# Altium PCB Main_Board.PcbDoc (part 3 of 19)
Units mil, origin at the board's own origin, x right, y up, seen from the top; angles counter-clockwise.
Board outline 5306 x 6610 mil, 12 copper layers ((L1) Top, (L2) Inner 1, (L3) Inner 2, (L4) Inner 3, (L5) Inner 4, (L6) Inner 5, (L7) Inner 6, (L8) Inner 7, (L9) Inner 8, (L10) Inner 9, (L11) Inner 10, (L12) Bottom), stack 94.81 mil thick; 347 components, 571 nets, 2611 pads, 4053 vias.
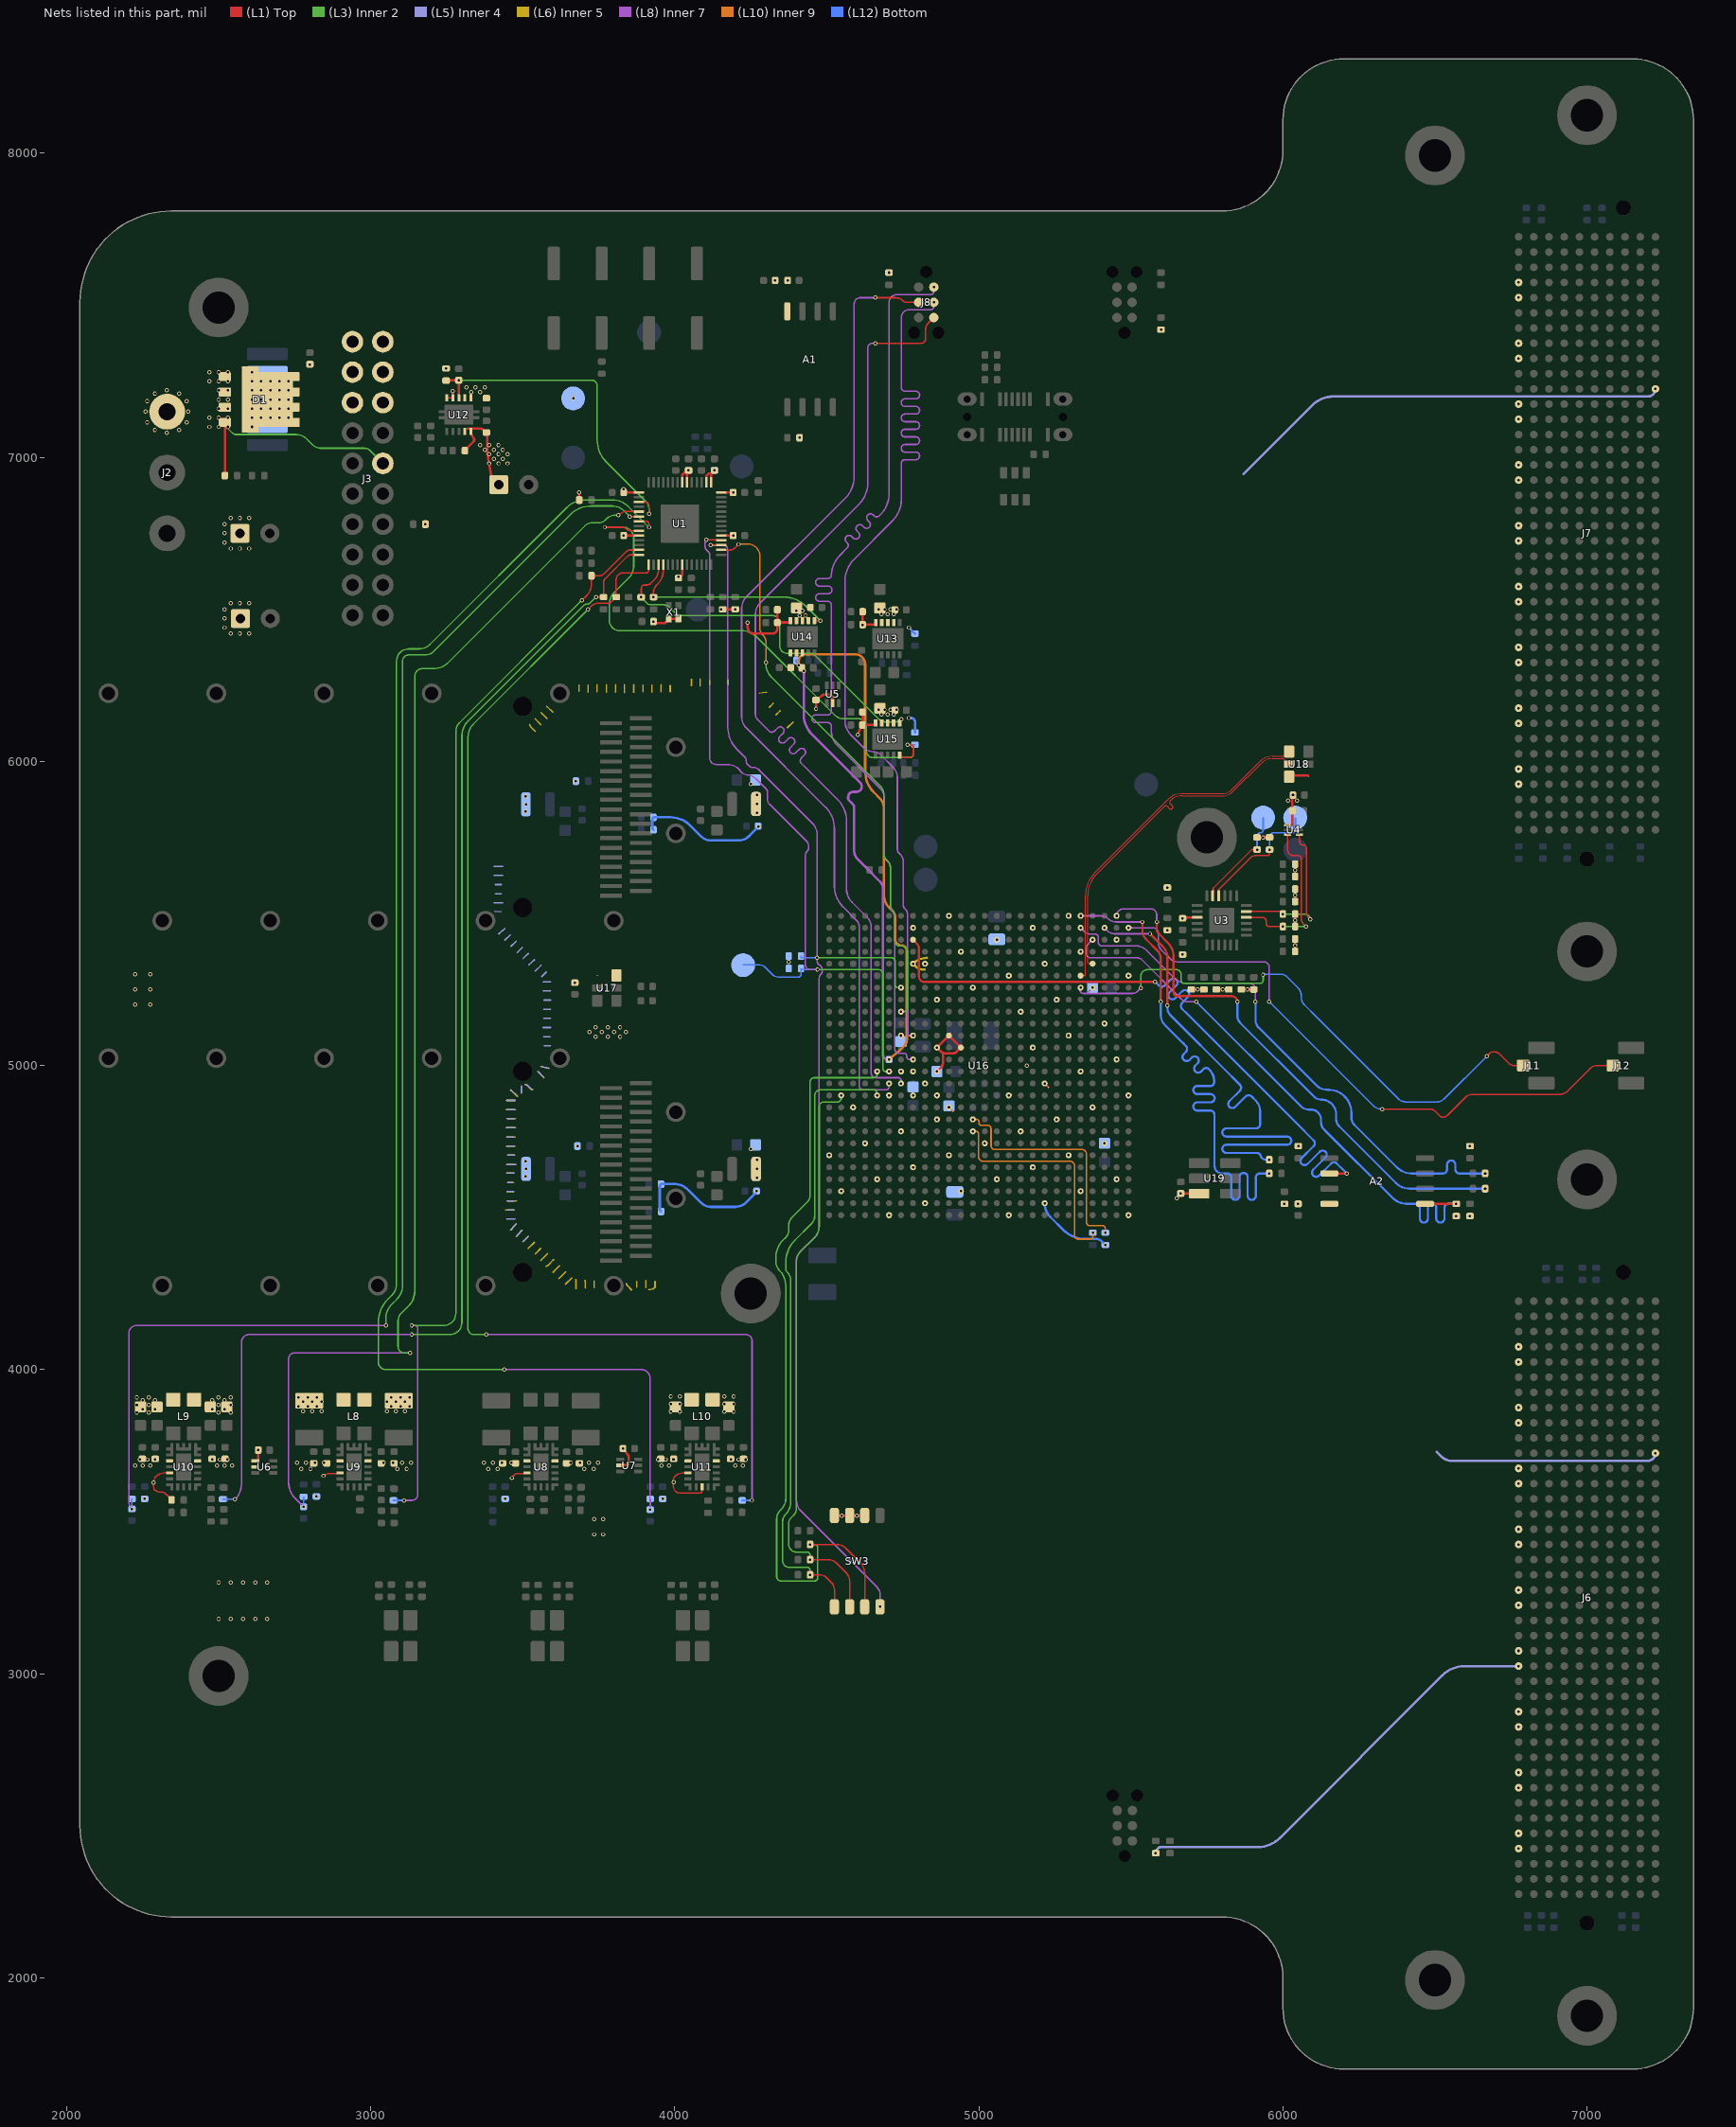
[diagram p13: the nets of this part, all layers, seen from the top]

## Via types
v1: diameter 13.78, hole 7.87, (L1) Top to (L12) Bottom, tented both sides, 4044 vias
v2: diameter 13.78, hole 7.87, (L1) Top to (L12) Bottom, tented bottom, 9 vias

## Nets (pads, with @x,y where several pads share a name; then routed paths per layer and width w, separated by ;. In a path a pad name is that pad's centre, name@x,y a point inside that pad or via, vN(x,y) a via of type N, cw(c..) or ccw(c..) an arc to the next point about the centre after c; other vN are vias at no path point) (continued)
1V2_GTX_EN: R13.2 U1.17 U15.6 | length 1229.9
  (L1) Top w5: v1(3889.27,6540.08) ccw(c3889.27,6540.81) 3890,6540.81 3890,6570 cw(c3900,6570) 3900,6580 3907.93,6580 ccw(c3907.93,6597.07) 3920,6585 3935,6600 ccw(c3908.12,6626.88) 3946.13,6626.88 U1.17@3946.13,6646.67 ; U15.6@4739.37,6126.3 cw(c4758.85,6126.3) 4745.08,6140.08 v1(4745.69,6138.91)
  (L3) Inner 2 w5: v1(3889.27,6540.08) 3910.36,6518.99 ccw(c3920,6528.64) 3920,6515 3960.86,6515 cw(c3960.86,6480.86) 3985,6505 3997.93,6492.07 ccw(c4027.07,6521.21) 4027.07,6480 4320,6480 cw(c4320,6455) 4345,6455 4345,6380 ccw(c4370,6380) 4370,6355 4455,6355 4669.39,6140.61 ccw(c4695,6166.21) 4695,6130 4724.17,6130 ccw(c4724.17,6160.43) v1(4745.69,6138.91)
1V2_GTX_PG: R113.1 U1.9 U15.5 | length 1953.6
  (L1) Top w5: v1(3770,6770) 3827.93,6770 cw(c3827.93,6752.93) 3840,6765 3840.7,6764.3 ccw(c3855,6778.6) 3855,6758.38 U1.9@3881.67,6758.38 ; U15.5@4739.37,6020 4739.37,6015.93 4742.78,6012.52 4772.52,6012.52 ccw(c4772.52,6025) 4785,6025 4785,6045 ccw(c4775,6045) 4775,6055 4765.7,6055 v1(4765.7,6054.9) v1@4768.07,6054.9
  (L3) Inner 2 w5: v1(3770,6770) 3830.86,6770 cw(c3830.86,6735.86) 3854.84,6760.16 cw(c3830.32,6735.63) 3865,6735.63 3865,6641.21 cw(c3813.79,6641.21) 3850.01,6605.01 3802.68,6557.68 ccw(c3845.36,6515) 3785,6515 3785,6464.14 ccw(c3819.14,6464.14) 3795,6440 ccw(c3819.14,6464.14) 3819.14,6430 4218.79,6430 cw(c4218.79,6359.17) 4268.86,6409.26 4526.2,6151.93 ccw(c4555,6180.73) 4555,6140 4605,6140 cw(c4605,6115) 4630,6115 4630,6035 ccw(c4652.66,6035) 4652.66,6012.34 4772.34,6012.34 ccw(c4772.34,6025) 4785,6025 4785,6045 ccw(c4775.1,6045) 4775.1,6054.9 v1(4765.7,6054.9)
  (L12) Bottom w5: v1(4765.7,6054.9) R113.1@4790,6054.92
1V8: C53.1 C54.1 C84.2 C85.2 C96.2 C97.2 C106.2 C113.2 C114.2 C115.2 J6.K28 J6.K29 J6.K32 J6.K33 J6.K36 J6.K37 J7.K28 J7.K29 J7.K32 J7.K33 J7.K36 J7.K37 L8.3 L8.4 NT3.2 R119.2 U13.7 U13.8 U13.9 U15.7 U15.8 U15.9 U16.AA1 U16.AA11 U16.AB8 U16.AB18 U16.AC5 U16.AC15 U16.AD2 U16.AD12 U16.AE9 U16.AE19 U16.AF6 U16.AF16 U16.E8 U16.L11 U16.M10 U16.M12 U16.P8 U16.P10 U16.R9 U16.T8 U16.T10 U16.U3 U16.U11 U16.V10 U16.W7 U16.W17 U16.Y4 U16.Y14 | length 1629.7
  (L1) Top w5: U16.U11@4902.13,4860.87 NT3.2@4913.95,4849.05 ; v1(4901.57,4862.2) ccw(c4903.46,4862.2) 4902.12,4860.88 cw(c4903.46,4862.2) v1(4901.57,4862.2)
  (L1) Top w8: v1(4862.2,4980.31) 4875.97,4994.08 ; 4875.98,4994.09 ccw(c4861.06,5008.98) 4882.14,5008.98 4882.14,5041.52 ; 4882.14,5041.67 4882.14,5041.52 ; 4882.14,5041.52 ccw(c4890,5061.1) 4890,5040 4915,5040 ccw(c4915,5056.63) 4926.76,5044.87 U16.M12@4940.94,5059.06 U16.L11@4901.57,5098.43 v1(4862.2,5059.06) 4875.08,5046.18 ccw(c4890,5061.1) 4881.4,5041.83 ccw(c4890,5061.1) 4882.14,5041.52
  (L6) Inner 5 w4: 3443,4525 3474,4525 ; 3446,4735 3475,4735 ; 3447,4585 3472,4585
  (L6) Inner 5 w5: 3446,4855 3476,4855 ; 3447,4765 3475,4765 ; 3447,4796 3477,4796 ; 3447,4885 3475,4885 ; 3448,4646 3472,4646 ; 3448,4674 3478,4674 ; 3449,4825 3476,4825 ; 3450,4555 3480,4555 ; 3450,4705 3473,4705 ; 3451,4615 3470,4615 ; 3460,4459 3478.69,4479.14 ; 3460,4920 3483,4898 ; 3479,4438 3497,4458 ; 3495,4909 3495,4933 ; 3501,4421 3518,4438 ; 3508,4937 cw(c3508,4924.93) 3516.54,4933.46 3526.88,4923.12 ccw(c3532,4928.24) 3532,4921 ; 3518,4399 3539,4419 ; 3542,4381 3559,4399 ; 3550,4980 3570,4960 ; 3559,4359 3581,4381 ; 3560,4997 3586,4990 ; 3577,4340 ccw(c3577,4347.24) 3582.12,4342.12 3602,4362 ; 3600,4319 cw(c3602.41,4319) 3600.71,4320.71 3621,4341 ; 3600.29,4360.29 ccw(c3598.59,4362) 3601,4362 ; 3618,4300 ccw(c3618,4304.83) 3621.41,4301.41 ; 3619,4299 3641,4321 ; 3640,4281 ccw(c3640,4283.41) 3641.71,4281.71 3661,4301 ; 3674,4296 cw(c3671.59,4293.59) 3675,4293.59 3675,4267 ; 3704,4293 cw(c3701.59,4290.59) 3705,4290.59 3705,4268 ; 3735,4269 3735,4291 ; 3841,4284 ccw(c3853.07,4284) 3844.54,4275.46 3858,4262 ; 3875,4271 3875,4290 ; 3905,4269 3905,4293 ; 3914.03,4263.2 ccw(c3917.25,4288.09) 3935,4270.34 3935,4289.56
  (L6) Inner 5 w8: 4821,5315 cw(c4821,5358.19) 4790.46,5327.65 v1(4783.46,5334.65) 4784.31,5335.49 cw(c4829,5290.79) 4829,5354
  (L12) Bottom w8: v1(5216.54,4547.24) ccw(c5281.19,4547.24) 5235.47,4501.53 5277.71,4459.29 ccw(c5348.42,4530) 5348.42,4430 5383,4430 cw(c5383,4398.72) 5405.11,4420.85 v1(5416.03,4409.92)
  other v1: 6775,2425 6775,2475 6775,2625 6775,2675 6775,2825 6775,2875 2778,3863.89 2808,3863.89 2838,3863.89 3053,3863.89 3083,3863.89 3113,3863.89 2763,3878.89 2793,3878.89 2823,3878.89 3068,3878.89 3098,3878.89 3128,3878.89 2778,3893.89 2808,3893.89 2838,3893.89 3053,3893.89 3083,3893.89 3113,3893.89 2763,3908.89 2793,3908.89 2823,3908.89 3068,3908.89 3098,3908.89 3128,3908.89 4704.72,4507.87 5098.43,4507.87 4822.83,4547.24 4547.24,4586.61 4940.94,4586.61 4665.35,4625.98 5059.06,4625.98 4783.46,4665.35 5177.17,4665.35 4507.87,4704.72 4901.57,4704.72 4625.98,4744.09 5019.69,4744.09 4744.09,4783.46 5137.8,4783.46 4862.2,4822.83 4586.61,4862.2 4783.46,4901.57 4862.2,4901.57 4822.83,4940.94 4783.46,4980.31 6775,5925 6775,5975 6775,6125 4680,6155 4700,6155 4720,6155 4670,6170 4690,6170 4710,6170 4730,6170 6775,6175 6775,6325 6775,6375 4680,6485 4700,6485 4720,6485 4670,6500 4690,6500 4710,6500 4730,6500
1V8_EN: R9.2 R86.2 U1.13 | length 3628
  (L1) Top w5: v1(3695,6530) 3710,6545 ccw(c3671.18,6583.82) 3726.08,6583.82 R9.2@3726.08,6610.48 ccw(c3727.25,6611.65) 3727.25,6610 3750,6610 ccw(c3750,6634.14) 3767.07,6617.07 3840,6690 cw(c3853,6677) 3853,6695.39 U1.13@3881.67,6695.39
  (L3) Inner 2 w5: v1(3109.38,3569.81) cw(c3109.38,3568.66) v1@3110.53,3568.66 ; v1(3135,4145) 3240,4145 ccw(c3240,4185) 3280,4185 3280,4390 3280,6100 cw(c3316.21,6100) 3290.61,6125.61 v1(3695,6530)
  (L8) Inner 7 w5: v1(3109.38,3569.81) 3109.38,3570 3135,3570 ccw(c3135,3590) 3155,3590 3155,4135 ccw(c3145,4135) 3145,4145 v1(3135,4145)
  (L12) Bottom w5: R86.2@3074.49,3569.81 v1(3109.38,3569.81)
1V8_GTX: C92.2 C93.2 C104.2 R110.2 U14.1 U14.2 U14.3 U16.N6 | length 3124.7
  (L8) Inner 7 w8: v1(4424.34,6297.05) 4424.34,6154.08 ccw(c4517.08,6154.08) 4451.5,6088.5 4609.39,5930.61 cw(c4595.86,5917.07) 4615,5917.07 cw(c4597.93,5917.07) 4610,5905 cw(c4597.93,5917.07) 4597.93,5900 4587.07,5900 ccw(c4587.07,5882.93) 4575,5895 ccw(c4587.07,5882.93) 4570,5882.93 4570,5880 ccw(c4582.07,5880) 4573.54,5871.46 4585,5860 cw(c4572.93,5847.93) 4590,5847.93 4590,5705 ccw(c4626.21,5705) 4600.61,5679.39 4622.69,5657.31 ccw(c4628.31,5663) 4623.99,5656.27 cw(c4615.89,5643.42) 4626.77,5654.02 4674.93,5605.07 ; 4674.93,5605.07 4675,5605 cw(c4650.86,5580.86) 4685,5580.86 4685,5035 ccw(c4700.31,5035) 4700.31,5019.69 v1(4704.72,5019.69)
  (L10) Inner 9 w8: v1@4407.92,6315.3 v1(4407.92,6315.77) 4407.92,6331 cw(c4429.56,6331) 4429.56,6352.64 4592.36,6352.64 cw(c4592.36,6318.88) 4626.12,6318.88 4626.12,5968.3 ccw(c4726.12,5968.3) 4655.41,5897.59 4673.44,5879.56 cw(c4637.88,5844) 4688.17,5844 4688.17,5557.26 ccw(c4737.52,5557.26) 4702.62,5522.36 4715.51,5509.48 ; v1(4704.72,5019.69) 4740,5050 4754.51,5064.51 ccw(c4734.03,5085) 4763,5085 4763,5377 ccw(c4745,5377) 4745,5395 cw(c4745,5415) 4725,5415 4725,5485.86 ccw(c4690.86,5485.86) 4715.51,5509.48 ; 4715,5510 cw(c4690.86,5485.86) 4715.51,5509.48
  (L12) Bottom w8: R110.2@4399.92,6331.88 4399.27,6328.42 v1(4407.92,6315.77) v1(4424.34,6297.05)
1V8_GTX_EN: R14.2 U1.18 U14.6 | length 711.9
  (L1) Top w5: v1(3930.31,6540.08) 3930,6540.38 3930,6555 cw(c3966.21,6555) 3940.61,6580.61 3945,6585 ccw(c3904.24,6625.76) 3961.88,6625.76 U1.18@3961.88,6646.67 ; U14.6@4459.37,6463.15 4459.9,6462.62 v1(4478.86,6462.62)
  (L3) Inner 2 w5: v1(3930.31,6540.08) 4359.98,6540.08 cw(c4359.98,6440.08) 4430.69,6510.79 v1(4478.86,6462.62)
1V8_PG: C57.2 R91.1 U1.5 | length 4192.8
  (L1) Top w5: v1(3815,6810) cw(c3844.63,6780.37) 3844.63,6822.27 3879.48,6822.27 cw(c3879.48,6819.19) U1.5@3881.67,6821.37 U1.5@3866.94,6821.71
  (L3) Inner 2 w5: v1(3130,4055) 3110,4055 cw(c3110,4075) 3090,4075 3090,4160 cw(c3126.21,4160) 3100.61,4185.61 3125,4210 ccw(c3076.72,4258.28) 3145,4258.28 3145,4395 3145,6280 cw(c3170,6280) 3170,6305 3205,6305 ccw(c3205,6377.43) 3256.21,6326.21 3705,6775 cw(c3729.14,6750.86) 3729.14,6785 3750,6785 ccw(c3750,6816.37) 3772.18,6794.19 3774.9,6796.91 cw(c3806.5,6765.31) 3806.5,6810 v1(3815,6810)
  (L8) Inner 7 w5: v1(2779.49,3548.85) 2753.24,3575.09 cw(c2809.36,3631.21) 2730,3631.21 2730,4035 cw(c2750,4035) 2750,4055 v1(3130,4055)
  (L12) Bottom w4: v1(2779.49,3548.85) R91.1@2779.49,3581.81
2V5: C62.2 C63.2 C64.2 C65.2 C86.2 C87.2 C105.2 L9.3 L9.4 NT5.2 U14.7 U14.8 U14.9 U16.A11 U16.B8 U16.B18 U16.C15 U16.D12 U16.E9 U16.E19 U16.F16 U16.G13 U16.H10 U16.H20 U16.J17 U16.K24 U16.M18 U16.N25 U16.P22 U16.R19 U16.T16 U16.T26 | length 1107
  (L1) Top w5: U16.R19@5215.53,4940.53 cw(c5216.54,4939.52) v1(5216.54,4940.94) 5216.54,4940.46 NT5.2@5228.95,4928.05
  (L5) Inner 4 w4: 3447,4585 3471,4585 ; 3447,4735 3473,4735 ; 3448,4525 3470,4525
  (L5) Inner 4 w5: 3405,5535 3435,5535 ; 3405,5625 3435,5625 ; 3405,5655 3435,5655 ; 3408,5507 3429,5505 ; 3410,5565 3430,5565 ; 3410,5595 3430,5595 ; 3421,5432 3441,5450 ; 3441.13,5412.02 3459,5429 ; 3446,4796 3475,4796 ; 3447,4495 3475,4495 ; 3447,4674 3475,4674 ; 3447,4885 3475,4885 ; 3448,4646 3471,4646 ; 3448,4765 3472,4765 ; 3448,4825 3474,4825 ; 3448,4855 3475,4855 ; 3449,4555 3472,4555 ; 3450,4705 3473,4705 ; 3451,4615 3467,4615 ; 3461,4459 3478,4479 ; 3461,5392 3478,5408 ; 3462,4918 3479,4902 ; 3481,4441 3498,4458 ; 3481,5371 3499,5389 ; 3495,4909 3495,4932 ; 3500,4420 3518,4438 ; 3501,5352 3519,5368 ; 3508,4937 3513.85,4935.33 cw(c3512.47,4930.52) 3515.85,4934.21 ; 3515.88,4934.19 3529,4922 ; 3521,5332 3539,5348 ; 3541,5311 3560,5329 ; 3551,4979 3569,4961 ; 3562,4996 3585,4991 ; 3562,5292 3578,5308 ; 3567,5125 3591,5125 ; 3567,5245 3591,5245 ; 3567,5275 3591,5275 ; 3569,5095 3590,5095 ; 3569,5155 3591,5155 ; 3569,5185 3591,5185 ; 3570,5065 3592,5065 ; 3571,5215 3591,5215 ; 4175,6252 4175,6268
  other v1: 2230.78,3858.89 2270.78,3858.89 2499.22,3858.89 2539.22,3858.89 2250.78,3868.89 2290.78,3868.89 2479.22,3868.89 2519.22,3868.89 2230.78,3883.89 2270.78,3883.89 2499.22,3883.89 2539.22,3883.89 2250.78,3898.89 2290.78,3898.89 2479.22,3898.89 2519.22,3898.89 2230.78,3908.89 2270.78,3908.89 2499.22,3908.89 2539.22,3908.89 5098.43,4901.57 5492.13,4901.57 5334.65,4980.31 5158,5000 5452.76,5019.69 5177.17,5059.06 5413.39,5137.8 5137.8,5177.17 4862.2,5216.54 5255.91,5216.54 4980.31,5255.91 5098.43,5295.28 4822.83,5334.65 5216.54,5334.65 4940.94,5374.02 5059.06,5413.39 4783.46,5452.76 5177.17,5452.76 4901.57,5492.13 4410,6480 4430,6480 4400,6495 4420,6495
2V5_EN: R10.2 R92.2 U1.14 | length 4126.5
  (L1) Top w5: v1(3741,6541) 3741.34,6540.66 3765.66,6540.66 R10.2@3766,6540.31 3766,6587.41 cw(c3786.73,6587.41) 3772.07,6602.07 3845,6675 cw(c3856.2,6663.8) 3856.2,6679.64 U1.14@3881.67,6679.64
  (L3) Inner 2 w5: v1(3135,4115) 3260,4115 ccw(c3260,4155) 3300,4155 3300,4390 3300,6085 cw(c3365.88,6085) 3319.3,6131.59 3699.9,6512.19 cw(c3711.8,6500.29) 3711.8,6517.12 3711.87,6517.12 ccw(c3711.87,6529.79) 3720.82,6520.82 ; 3720.83,6520.83 v1(3741,6541)
  (L8) Inner 7 w5: v1(2554.18,3573.65) ccw(c2503.93,3623.9) 2575,3623.9 2575,4090 cw(c2600,4090) 2600,4115 v1(3135,4115)
  (L12) Bottom w5: R92.2@2513.22,3573.81 2513.3,3573.73 2554.1,3573.73 v1(2554.18,3573.65)
2V5_PG: C68.2 R98.1 U1.6 | length 4675
  (L1) Top w5: v1(3851.5,6805.62) U1.6@3881.67,6805.62
  (L3) Inner 2 w5: v1(3050,4145) 3050,4170 cw(c3110.36,4170) 3067.68,4212.68 3085,4230 ccw(c3036.72,4278.28) 3105,4278.28 3105,4395 3105,6330 cw(c3125,6330) 3125,6350 3180,6350 ccw(c3180,6386.21) 3205.61,6360.61 3655.71,6810.71 cw(c3726.42,6740) 3726.42,6840 3795,6840 cw(c3795,6786.59) 3832.76,6824.36 v1(3851.5,6805.62) ccw(c3851.5,6803.5) v1@3850,6805
  (L8) Inner 7 w5: 2205,4121.54 2205,3565.54 ccw(c2239.03,3565.54) v1(2214.97,3541.48) ; 2205.05,4121.54 cw(c2230,4120) 2230,4145 v1(3050,4145)
  (L12) Bottom w4: v1(2214.97,3541.48) R98.1@2214.97,3574.94
3V3: A2.8 C19.2 C20.2 C24.2 C25.2 C26.2 C27.2 C73.2 C74.2 C116.2 C117.2 C118.2 C120.1 C122.2 C123.2 C124.2 J6.K4 J6.K5 J6.K8 J6.K9 J6.K12 J6.K13 J6.K16 J6.K17 J6.K20 J6.K21 J6.K24 J6.K25 J7.K4 J7.K5 J7.K8 J7.K9 J7.K12 J7.K13 J7.K16 J7.K17 J7.K20 J7.K21 J7.K24 J7.K25 L1.2 L2.2 L3.2 L4.2 L5.2 L6.2 L10.3 L10.4 NT7.2 R37.2 R38.2 R39.2 R40.2 R41.2 R42.2 R43.2 R44.2 R45.2 R46.2 R47.2 R48.2 R49.2 R50.2 R51.2 R52.2 R53.2 R54.2 R55.2 R56.2 R57.2 R58.2 R59.2 R60.2 R61.2 R117.2 R118.2 R122.2 R123.2 R124.2 R125.2 R126.2 R131.2 R132.2 R133.2 SW3.6 SW3.7 SW3.8 U3.21 U4.1 U16.A21 U16.AA21 U16.AC25 U16.AD22 U16.AF26 U16.C25 U16.D22 U16.F26 U16.G23 U16.L7 U16.L21 U16.P7 U16.T6 U16.U23 U16.V20 U16.Y24 U17.1 U17.6 U18.1 U18.6 U19.6 | length 3583
  (L1) Top w5: NT7.2@5362,5243 U16.G23@5373.39,5254.39 ; U16.G23@5373.39,5254.39 ccw(c5371.87,5255.91) v1(5374.02,5255.91) cw(c5371.87,5255.91) U16.G23@5373.39,5254.39
  (L1) Top w8: SW3.8@4525,3520 SW3.7@4575,3520 SW3.6@4624.61,3520 ; v1(5664.05,4579.27) 5664.32,4579 U19.6@5724.82,4579 ; v1(5670,5483.9) cw(c5673.1,5483.9) 5673.1,5487 U3.21@5718,5487 ; R40.2@5698.97,5249.92 5699.01,5249.97 5719.63,5249.97 v1(5719.67,5250.01) v1(5719.67,5250.01) 5739.96,5249.97 R41.2@5740,5249.92 ; R42.2@5781.03,5249.92 v1(5801.29,5249.94) R43.2@5822.07,5249.92 ; R44.2@5863.1,5249.92 5863.16,5249.86 5883.56,5249.86 v1(5883.63,5249.79) R45.2@5904.13,5249.84 ; R55.2@5915,5750.08 5915.04,5750.04 v1(5935,5750) v1(5935,5750) v1(5935,5750) 5955.99,5750.04 R54.2@5956.03,5750.08 ; U4.1@6015.31,5790.75 6031.1,5790.75 C20.2@6031.1,5838.16 C124.2@6031.1,5893.3 ; U18.6@6018.5,5953.66 6081.5,5953.66 ; R50.2@6040.02,5539.15 v1(6040,5560) v1(6040,5560) 6040.04,5580.13 R51.2@6040.08,5580.17 ; R46.2@6040.08,5375 6040,5375.08 6040,5395.51 v1(6039.93,5395.58) 6040,5395.66 6040,5415.96 R47.2@6040.08,5416.03 ; R48.2@6040.08,5457.07 6040.04,5457.11 v1(6040,5478) v1(6040,5478) v1(6040,5478) 6040.04,5498.06 R49.2@6040.08,5498.1 ; R52.2@6040.08,5621.2 6040.04,5621.24 v1(6040,5642) v1(6040,5642) v1(6040,5642) 6040.04,5662.2 R53.2@6040.08,5662.24
  (L5) Inner 4 w8: v1(5581.72,2409.92) cw(c5601.8,2409.92) 5601.8,2430 5918.58,2430 ccw(c5918.58,2530) 5989.29,2459.29 6525.44,2995.44 cw(c6596.15,2924.73) 6596.15,3024.73 v1@6775.23,3024.73
  (L6) Inner 5 w5: 3523,6122 ccw(c3535.07,6122) 3526.54,6113.46 3539.29,6100.71 cw(c3537.59,6099) 3540,6099 ; 3541,6140 3559,6121 ; 3561,6160 3579,6141 ; 3580,6180 3599,6162 ; 3685,6231 3685,6250 ; 3715,6228 3715,6251 ; 3745,6229 3745,6252 ; 3775,6227 3775,6252 ; 3805,6228 3805,6252 ; 3835,6226 3835,6253 ; 3865,6228 3865,6252 ; 3895,6230 3895,6250 ; 3925,6228 3925,6250 ; 3955,6229 3955,6252 ; 3985,6229 3985,6249 ; 4055,6249 4055,6269 ; 4084,6248 4084,6271 ; 4115,6253 4115,6267 ; 4175,6252 4175,6266 ; 4278,6224 4301,6227 ; 4311,6178 4324,6191 ; 4333,6153 4346,6166 ; 4370,6111 4389,6129
  (L12) Bottom w8: R59.2@3930,5775 3926.85,5778.15 3926.85,5812.96 R61.2@3929.92,5816.03 3987.15,5816.03 cw(c3987.15,5727.15) 4050,5790 4085.86,5754.14 ccw(c4120,5788.28) 4120,5740 4208.79,5740 ccw(c4208.79,5791.21) 4244.99,5754.99 v1(4275,5785) ; R58.2@3955.08,4520 3950.68,4524.4 3950.68,4605.6 R60.2@3955.08,4610 3996.72,4610 cw(c3996.72,4541.72) 3998.1,4609.99 4004.49,4609.86 cw(c4003.54,4563.39) 4029.41,4602 4034.72,4598.45 cw(c3996.72,4541.72) 4045,4590 4085.86,4549.14 ccw(c4120,4583.28) 4120,4535 4198.79,4535 ccw(c4198.79,4586.21) 4234.99,4549.99 4266.75,4581.75 ccw(c4261.56,4586.94) v1(4268.9,4586.94)
  other v1: 6775,3025 6775,3075 6775,3225 6775,3275 6775,3425 6775,3475 4549.64,3520 4599.19,3520 6775,3625 6775,3675 6775,3825 3986.49,3861.89 4016.49,3861.89 4163.51,3861.89 4193.51,3861.89 6775,3875 3986.49,3886.89 4016.49,3886.89 4163.51,3886.89 4193.51,3886.89 3986.49,3911.89 4016.49,3911.89 4163.51,3911.89 4193.51,3911.89 6775,4025 6775,4075 6570,4504.92 6615,4504.92 5492.13,4507.87 6005,4545.08 6050,4545 5651,4564 5334.65,4586.61 5452.76,4625.98 4270,4630 3510,4635 3510.9,4660 4270,4660 3510,4685 4270,4690 5295.28,4704.72 4250,4725 3680,4735 6050.69,4735.08 6615,4735.08 5413.39,4744.09 5255.91,4822.83 5374.02,4862.2 4704.72,4901.57 4744.09,4980.31 3740,5095 3780,5095 3820,5095 4744.09,5098.43 5295.28,5098.43 3720,5110 3760,5110 3800,5110 3840,5110 3740,5125 3780,5125 3820,5125 3671.5,5272.14 5492.13,5295.28 4375,5340 5670,5364.92 5334.65,5374.02 5452.76,5413.39 5620,5444.92 5295.28,5492.13 5620,5585.08 4270,5830 3510,5835 3510.63,5859 4270,5860 6017,5871 6047,5871 3510,5885 6033.1,5889.3 4270,5890 4250,5925 3675,5935 6775,6525 6775,6575 6775,6725 6775,6775 6775,6925 6775,6975 6775,7125 6775,7175 6775,7325 6775,7375 5599.01,7419.58 6775,7525 6775,7575 4704.41,7607.31
3V3_EN: R11.2 R99.2 U1.15 | length 4347.5
  (L1) Top w5: v1(3715,6500) 3725,6510 cw(c3749.14,6485.86) 3749.14,6520 3780,6520 ccw(c3780,6536.64) 3791.77,6524.87 R11.2@3807.21,6540.31 3807.21,6597.21 cw(c3830,6597.21) 3830,6620 3905,6620 ccw(c3905,6629.64) 3914.64,6629.64 U1.15@3914.64,6646.67
  (L3) Inner 2 w5: v1(3380,4115) 3340,4115 cw(c3340,4135) 3320,4135 3320,4145 3320,4390 3320,6080 cw(c3380.36,6080) 3337.68,6122.68 v1(3715,6500)
  (L8) Inner 7 w5: v1(3380,4115) 4235,4115 cw(c4235,4096) 4254,4096 v1(4254,3570)
  (L12) Bottom w5: R99.2@4221.51,3569.81 4254,3569.81 v1(4254,3570)
3V3_PG: C77.2 R103.1 U1.7 | length 4847.9
  (L1) Top w5: U1.7@3881.79,6790 U1.7@3881.67,6789.87 3905.13,6789.87 cw(c3905.13,6780) 3915,6780 v1(3915,6770) v1@3914.7,6770.3
  (L3) Inner 2 w5: v1(3440,4000) 3050,4000 cw(c3050,4025) 3025,4025 3025,4152.93 cw(c3138.64,4152.93) 3058.28,4233.28 3070,4245 ccw(c3033.79,4281.21) 3085,4281.21 3085,4395 3085,6330 cw(c3125,6330) 3125,6370 3160,6370 ccw(c3160,6418.28) 3194.14,6384.14 3645,6835 cw(c3705.36,6774.64) 3705.36,6860 3795,6860 cw(c3795,6787.57) 3846.21,6838.79 v1(3915,6770)
  (L8) Inner 7 w5: v1(3440,4000) 3890,4000 cw(c3890,3970.95) 3919.05,3970.95 v1(3919.05,3539.51)
  (L12) Bottom w4: R103.1@3919.05,3574.78 cw(c3917.96,3573.68) 3919.51,3573.68 C77.2@3919.51,3539.89
3V3AUX: A1.8 C4.2 C5.2 C6.2 C7.2 C8.2 C9.2 C10.2 C11.2 C12.2 C13.2 C14.2 C15.2 C21.2 C22.2 C23.2 C79.2 C80.1 C90.2 C91.2 C94.2 C95.2 C100.2 C101.2 J6.A11 J7.A11 R1.2 R2.2 R3.2 R20.2 R24.2 R84.2 R90.2 R97.2 R102.2 R104.2 R106.2 R107.2 R113.2 TP2.1 U1.1 U1.10 U1.22 U1.33 U1.42 U1.43 U1.44 U1.48 U1.49 U5.5 U6.4 U6.5 U7.5 U12.9 U12.10 U13.10 U14.10 U15.10 X1.1 X1.4 | length 3934.1
  (L1) Top w8: U6.5@2620.87,3680 2630.18,3680 v1(2630.18,3735.27) ; R104.2@3309.76,7021.88 3315.08,7029.17 3338.13,7052.14 ccw(c3332.48,7057.81) 3339.31,7061.97 3330.09,7077.07 U12.10@3329.37,7084.88 ; 3320,7094 3329.37,7094 3362.35,7094 cw(c3362.35,7086) 3367.12,7092.42 3373.99,7087.32 C79.2@3380.69,7081.81 3383.44,7079.06 3383.44,7015.39 3383.55,7014.03 3397.44,6933.62 C80.1@3421.06,6910 ; R3.2@3685.92,6859.6 v1(3685.92,6884.08) ; U7.5@3820.87,3685 3820.87,3685.47 3839.62,3685.47 ccw(c3839.62,3694.47) 3848.62,3694.47 3848.62,3711.82 ccw(c3834.97,3711.82) 3844.62,3721.47 3835.24,3733.78 v1(3829.73,3740.47) ; v1(3831.82,6895.98) 3831.82,6884.53 C5.2@3831.99,6884.36 U1.1@3881.67,6884.36 ; v1(3831.99,6742.63) U1.10@3881.67,6742.63 ; v1(3930,6460) 3935,6455 3968.13,6455 3980.16,6467.03 X1.4@3980.16,6469 X1.1@4011.65,6469 ; C12.2@4012.36,6606.91 v1(4012,6606.91) 4017.16,6606.91 4024.87,6614.62 U1.22@4024.87,6646.67 ; U1.49@4024.87,6917.33 4024.94,6917.4 4024.94,6942.94 4033,6951 4039.36,6951 v1(4045.45,6957.09) 4040.68,6952.32 4040.68,6917.4 U1.48@4040.62,6917.33 ; U1.44@4103.61,6917.33 4103.68,6917.4 4103.68,6938.68 4111.24,6946.24 4119.36,6946.24 ; U1.43@4119.36,6917.33 4119.36,6946.24 ; v1(4130.28,6957.09) 4129.91,6957.09 4119.36,6946.54 4119.36,6946.24 ; U1.33@4152.33,6742.63 v1(4192.09,6742.63) ; U1.42@4152.33,6884.36 v1(4192.09,6884.36) ; R2.2@4157.89,6500.15 v1(4198.93,6500.15) ; v1(4240,6456.44) 4240,6440 ccw(c4260,6440) 4260,6420 4320,6420 ccw(c4320,6437.35) 4337.35,6437.35 C94.2@4337.35,6456.31 ; C95.2@4337.35,6499 C94.2@4337.35,6456.31 ; U14.10@4380.63,6463.15 4378.72,6457.18 4342.86,6457.18 C94.2@4337.35,6456.31 ; v1(4464.36,6172.57) C21.2@4464.36,6201.97 4471.06,6207.48 4483.69,6215.81 cw(c4493.34,6206.15) 4493.34,6219.81 4509.69,6219.81 cw(c4509.69,6210.81) 4518.69,6210.81 4518.69,6192.73 ccw(c4519.69,6192.73) U5.5@4519.69,6191.73 ; v1(4602.12,6087.12) 4611.84,6113.14 C101.2@4617.35,6119.83 ; C100.2@4617.35,6162.24 C101.2@4617.35,6119.83 ; v1(4617.34,6447.86) C91.2@4617.78,6449.74 ; C90.2@4617.78,6492.43 C91.2@4617.78,6449.74 ; U15.10@4660.63,6126.3 4658.72,6120.66 4622.86,6120.66 C101.2@4617.35,6119.83 ; U13.10@4661.26,6456.3 4659.35,6450.57 4623.29,6450.57 C91.2@4617.78,6449.74